# Altium PCB IIS_PCB.PcbDoc (part 1 of 3)
Units mil, origin at the board's own origin, x right, y up, seen from the top; angles counter-clockwise.
Board outline 5785 x 8565 mil, 6 copper layers (Top Layer, PWR Plane, Layer 1, Layer 2, GND Plane, Bottom Layer), stack 39 mil thick; 200 components, 151 nets, 747 pads, 194 vias.
Unrouted connection lines stored in the file: 14.
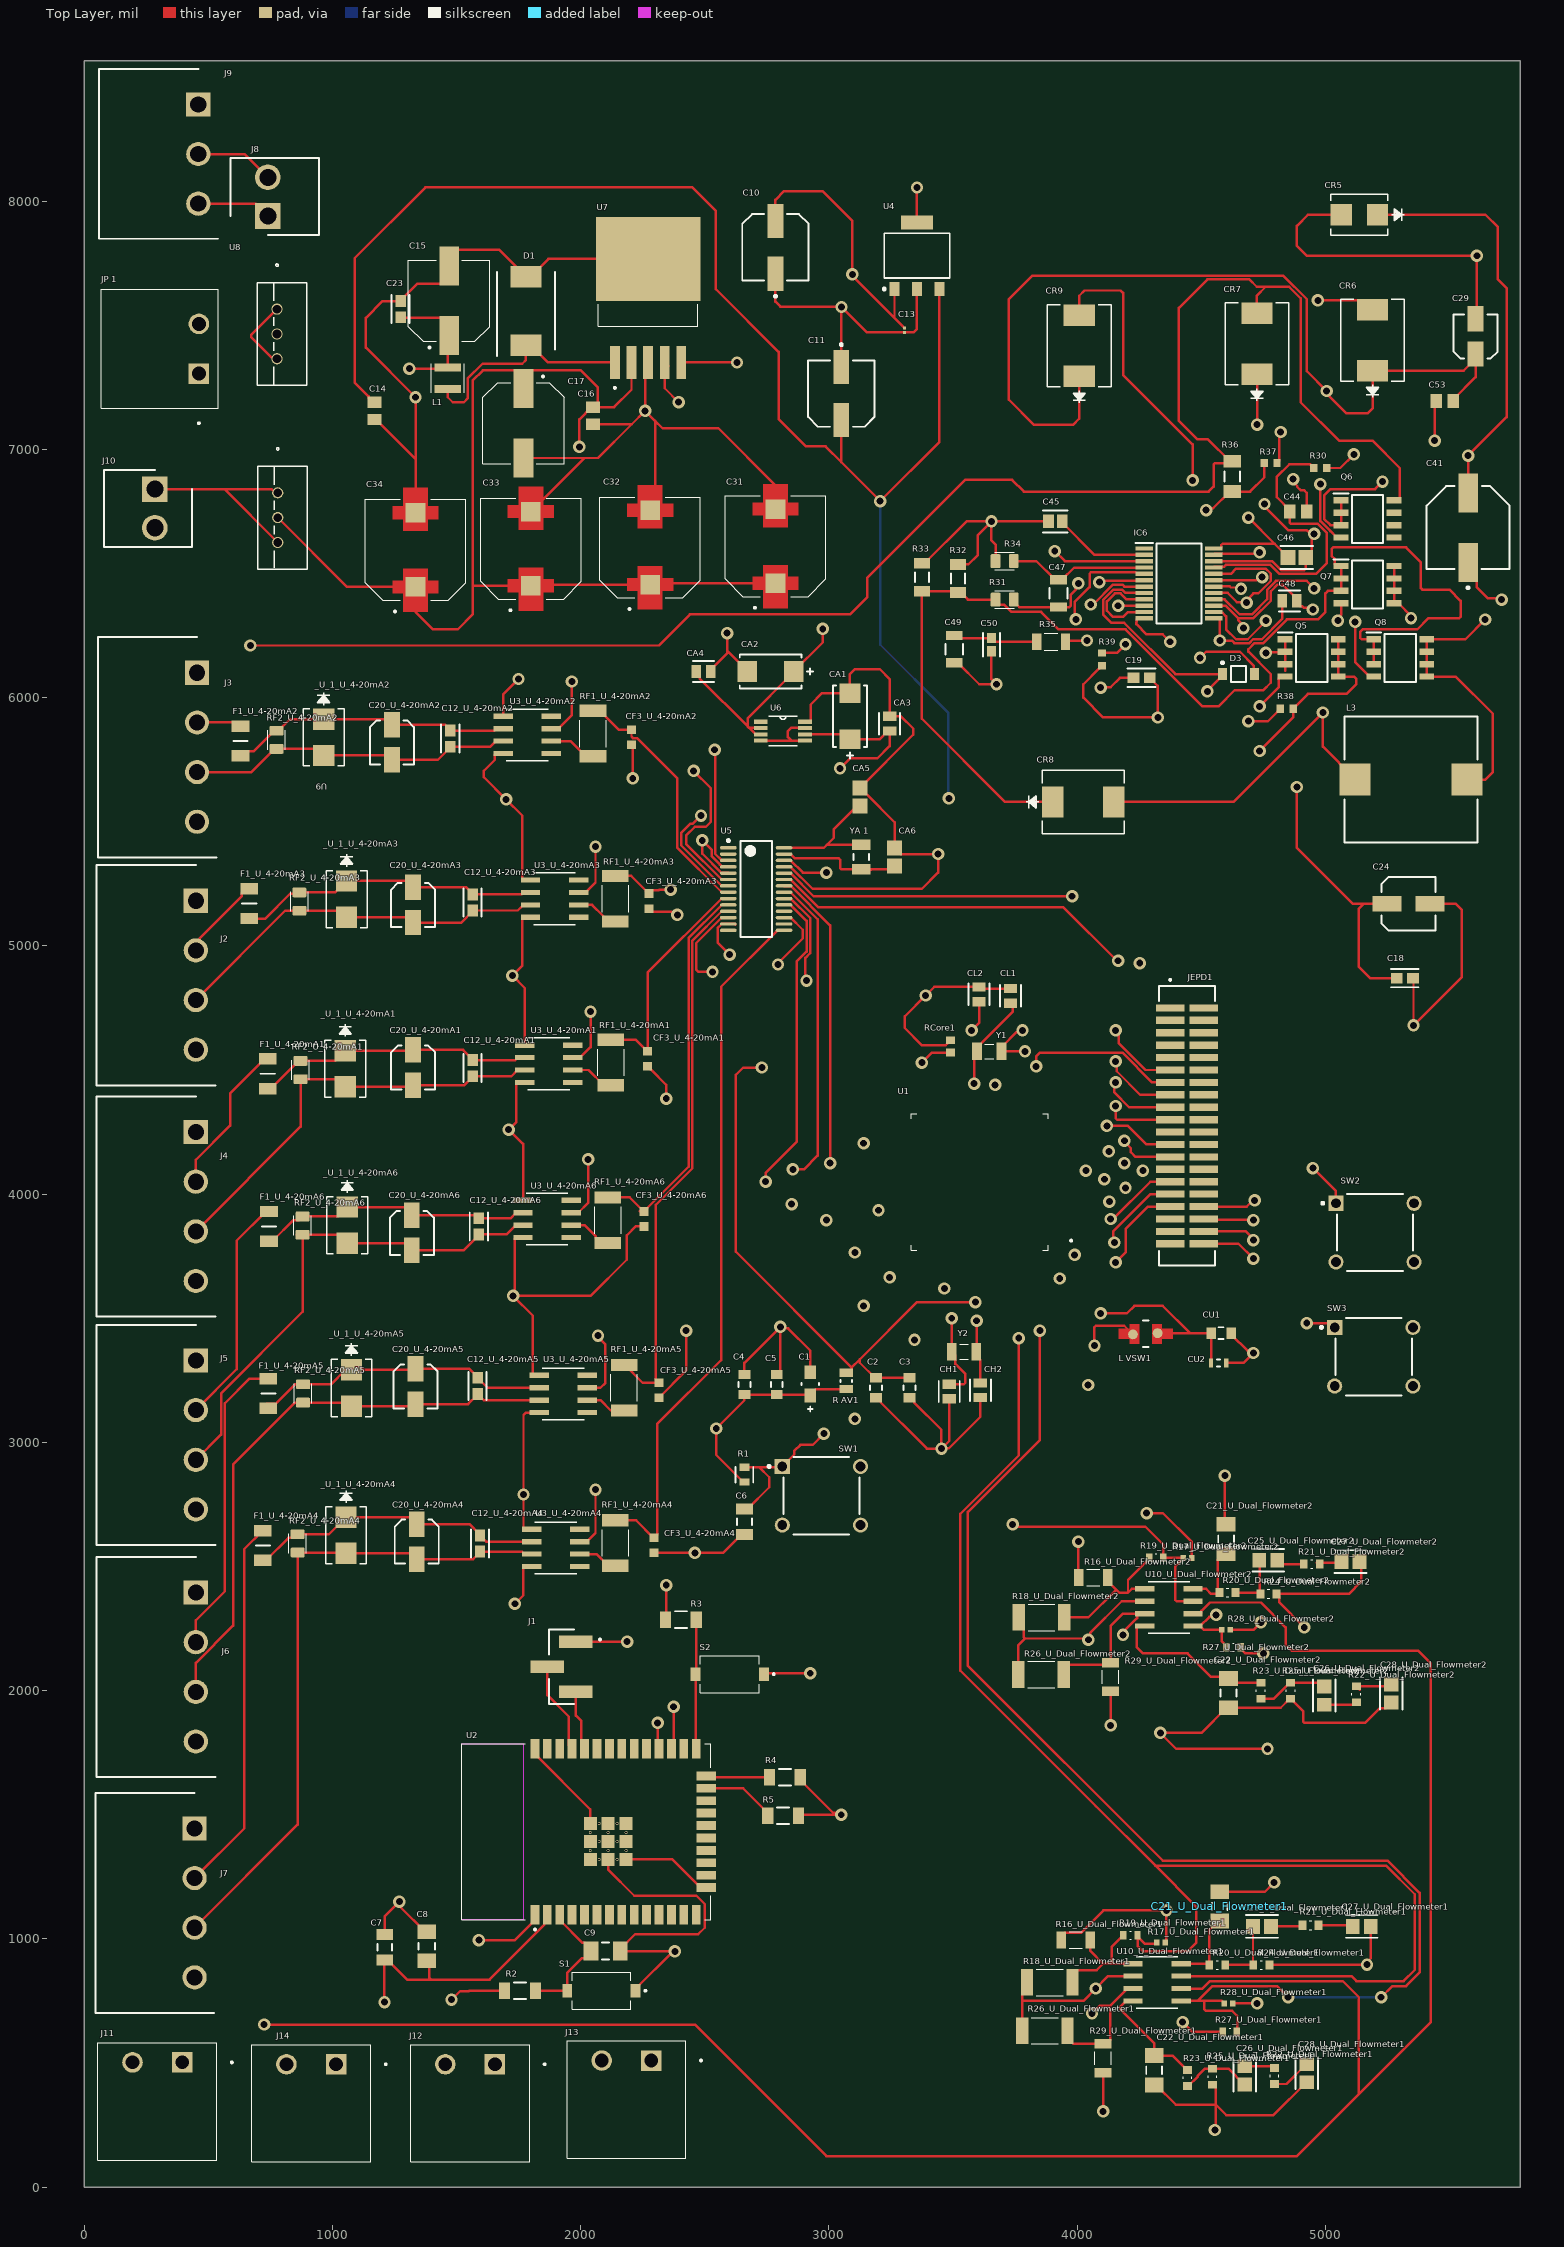
[diagram p0: Top Layer view]
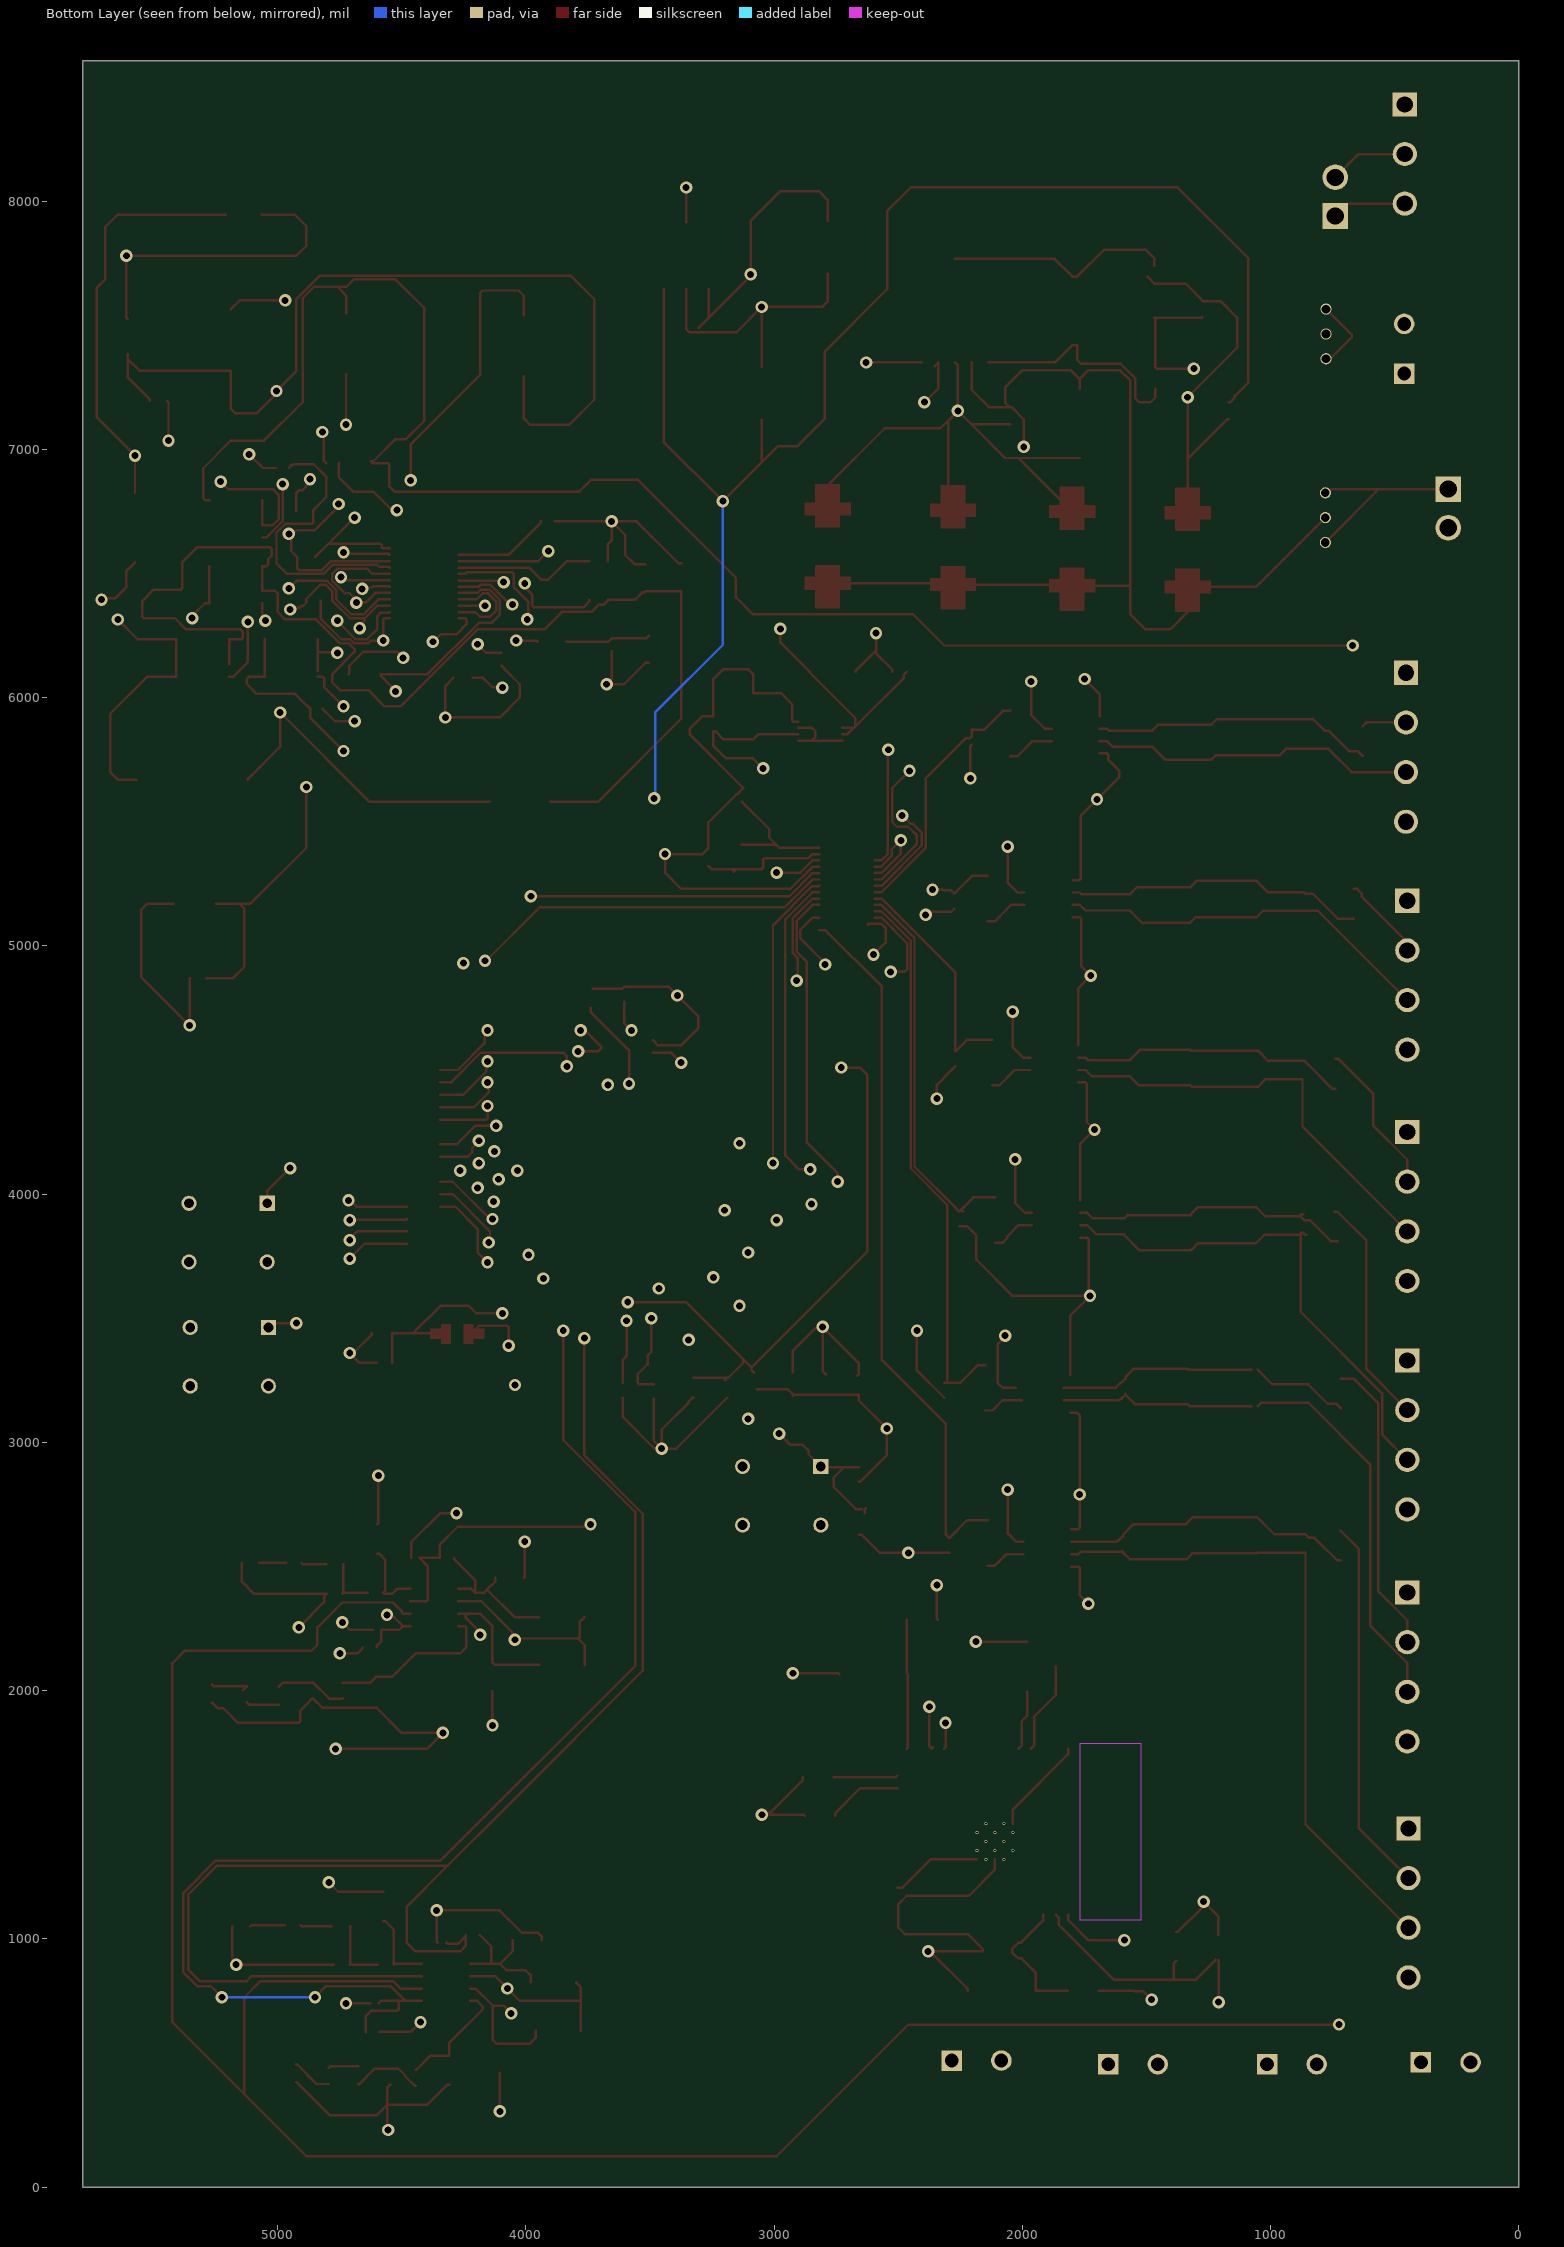
[diagram p1: Bottom Layer view, seen from below]
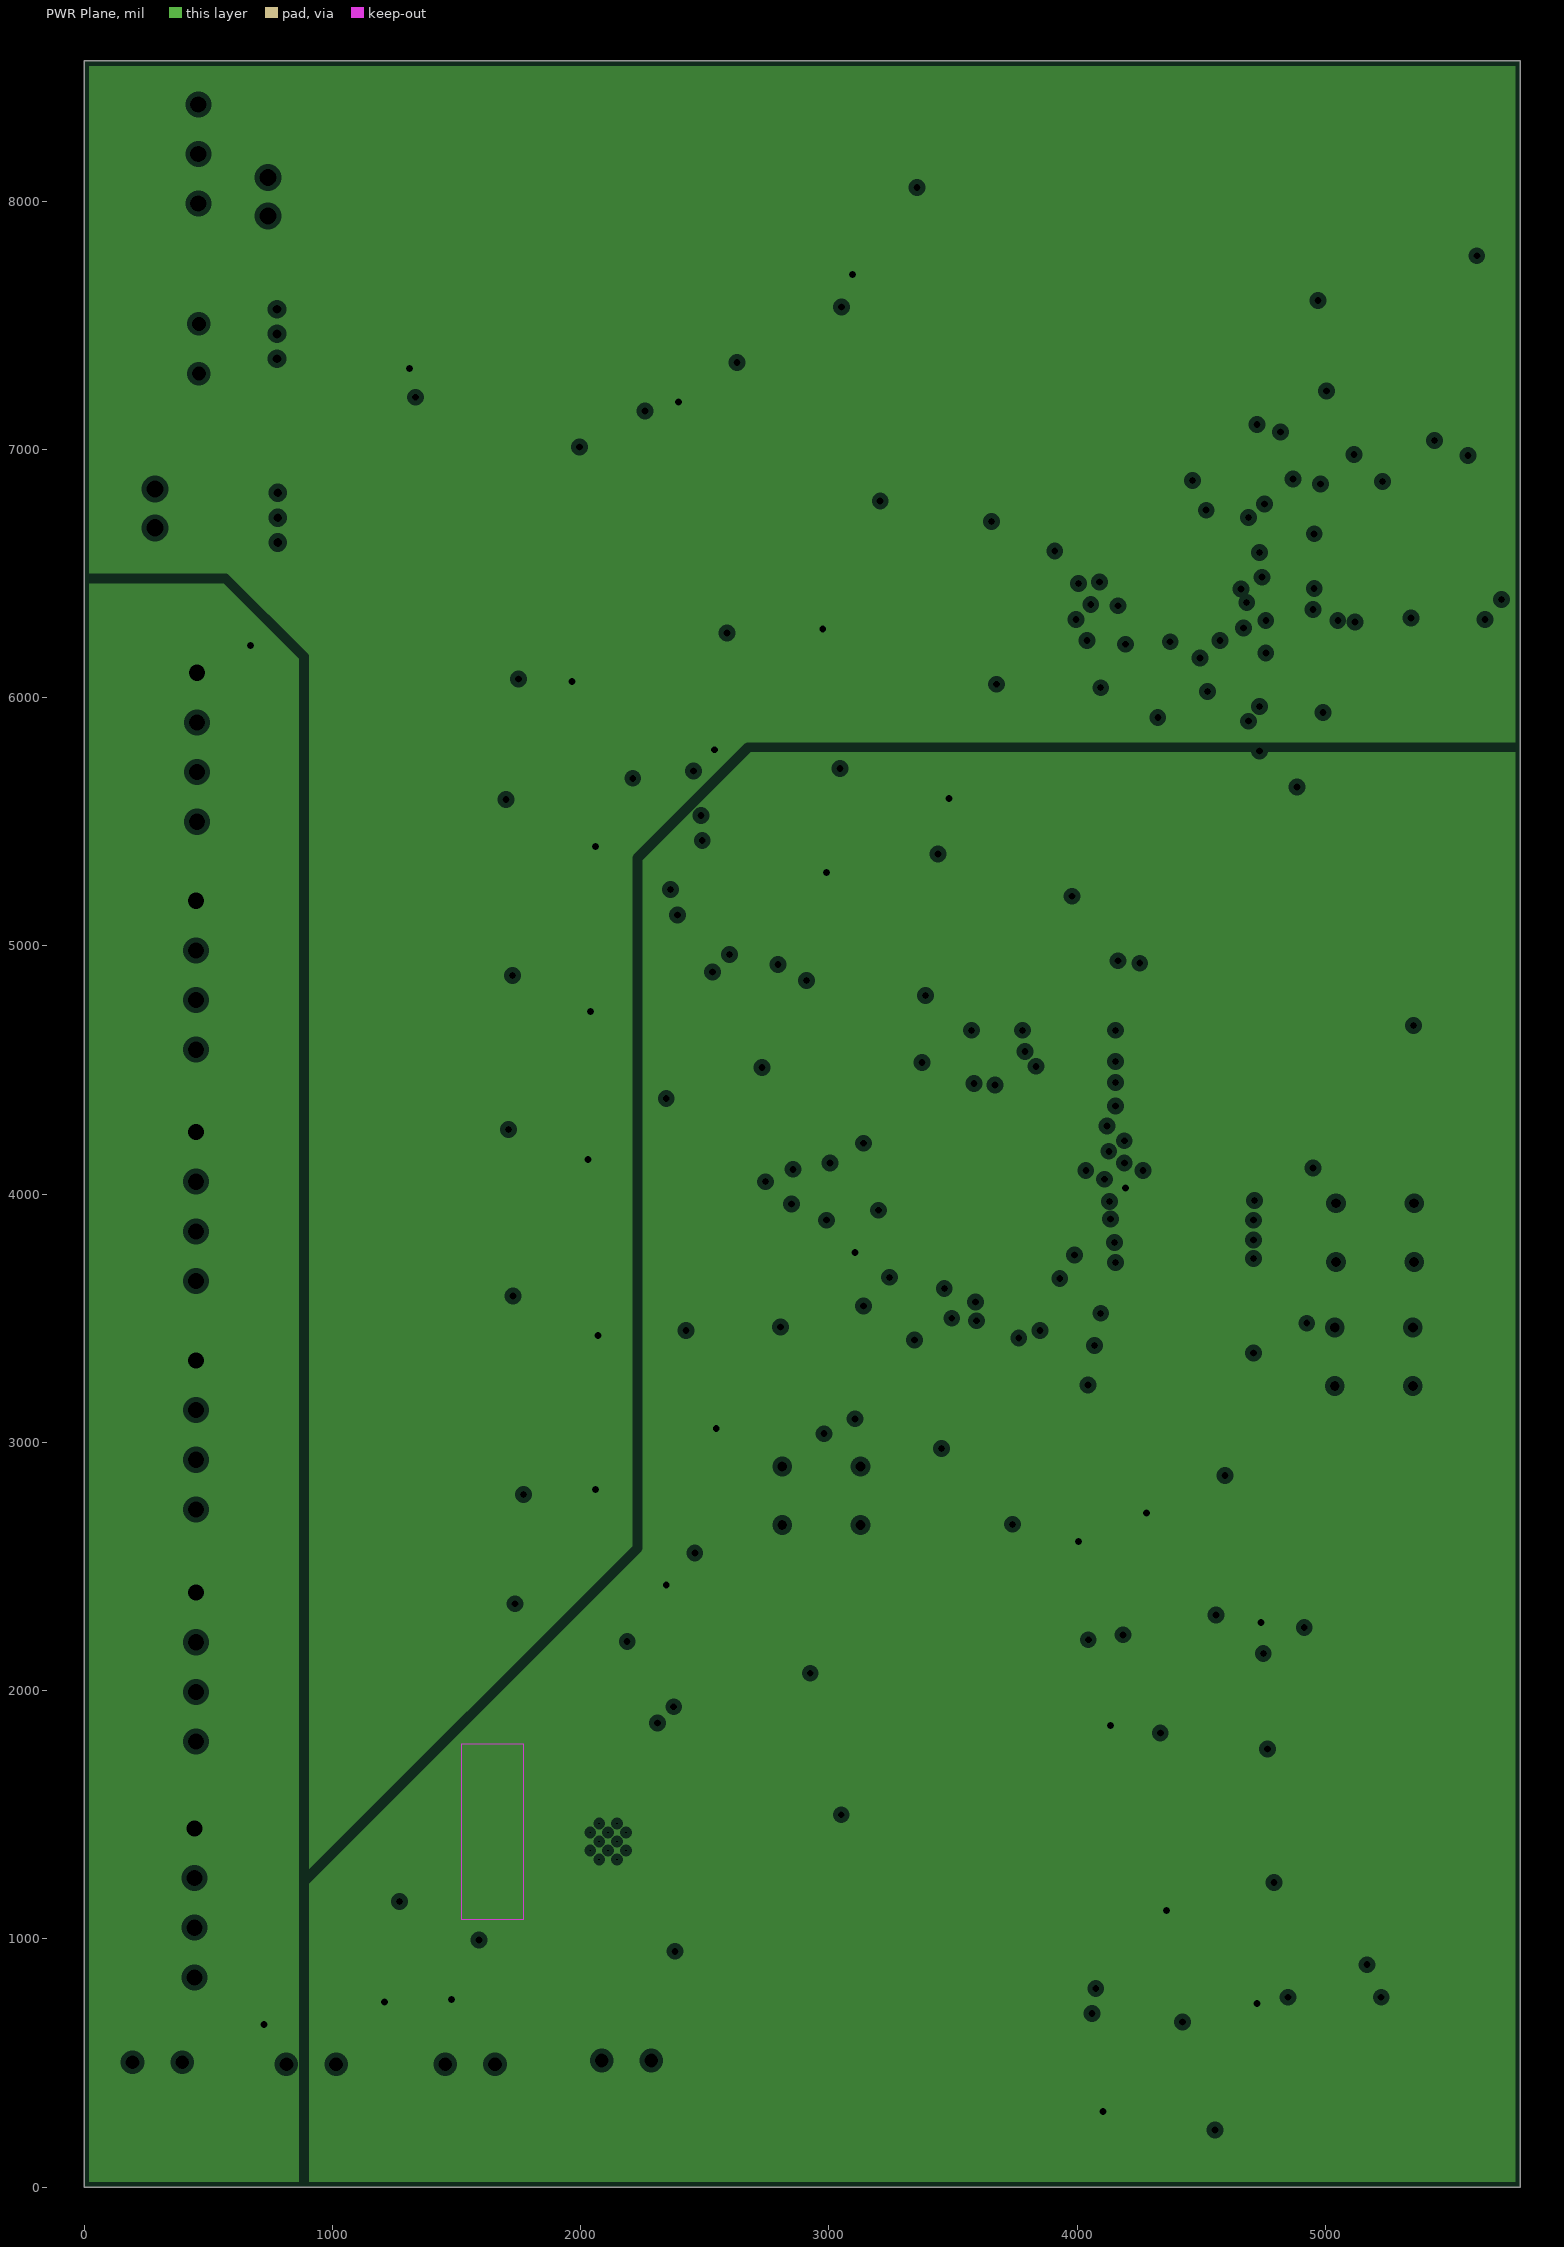
[diagram p2: PWR Plane, clearances drawn from the general rule]
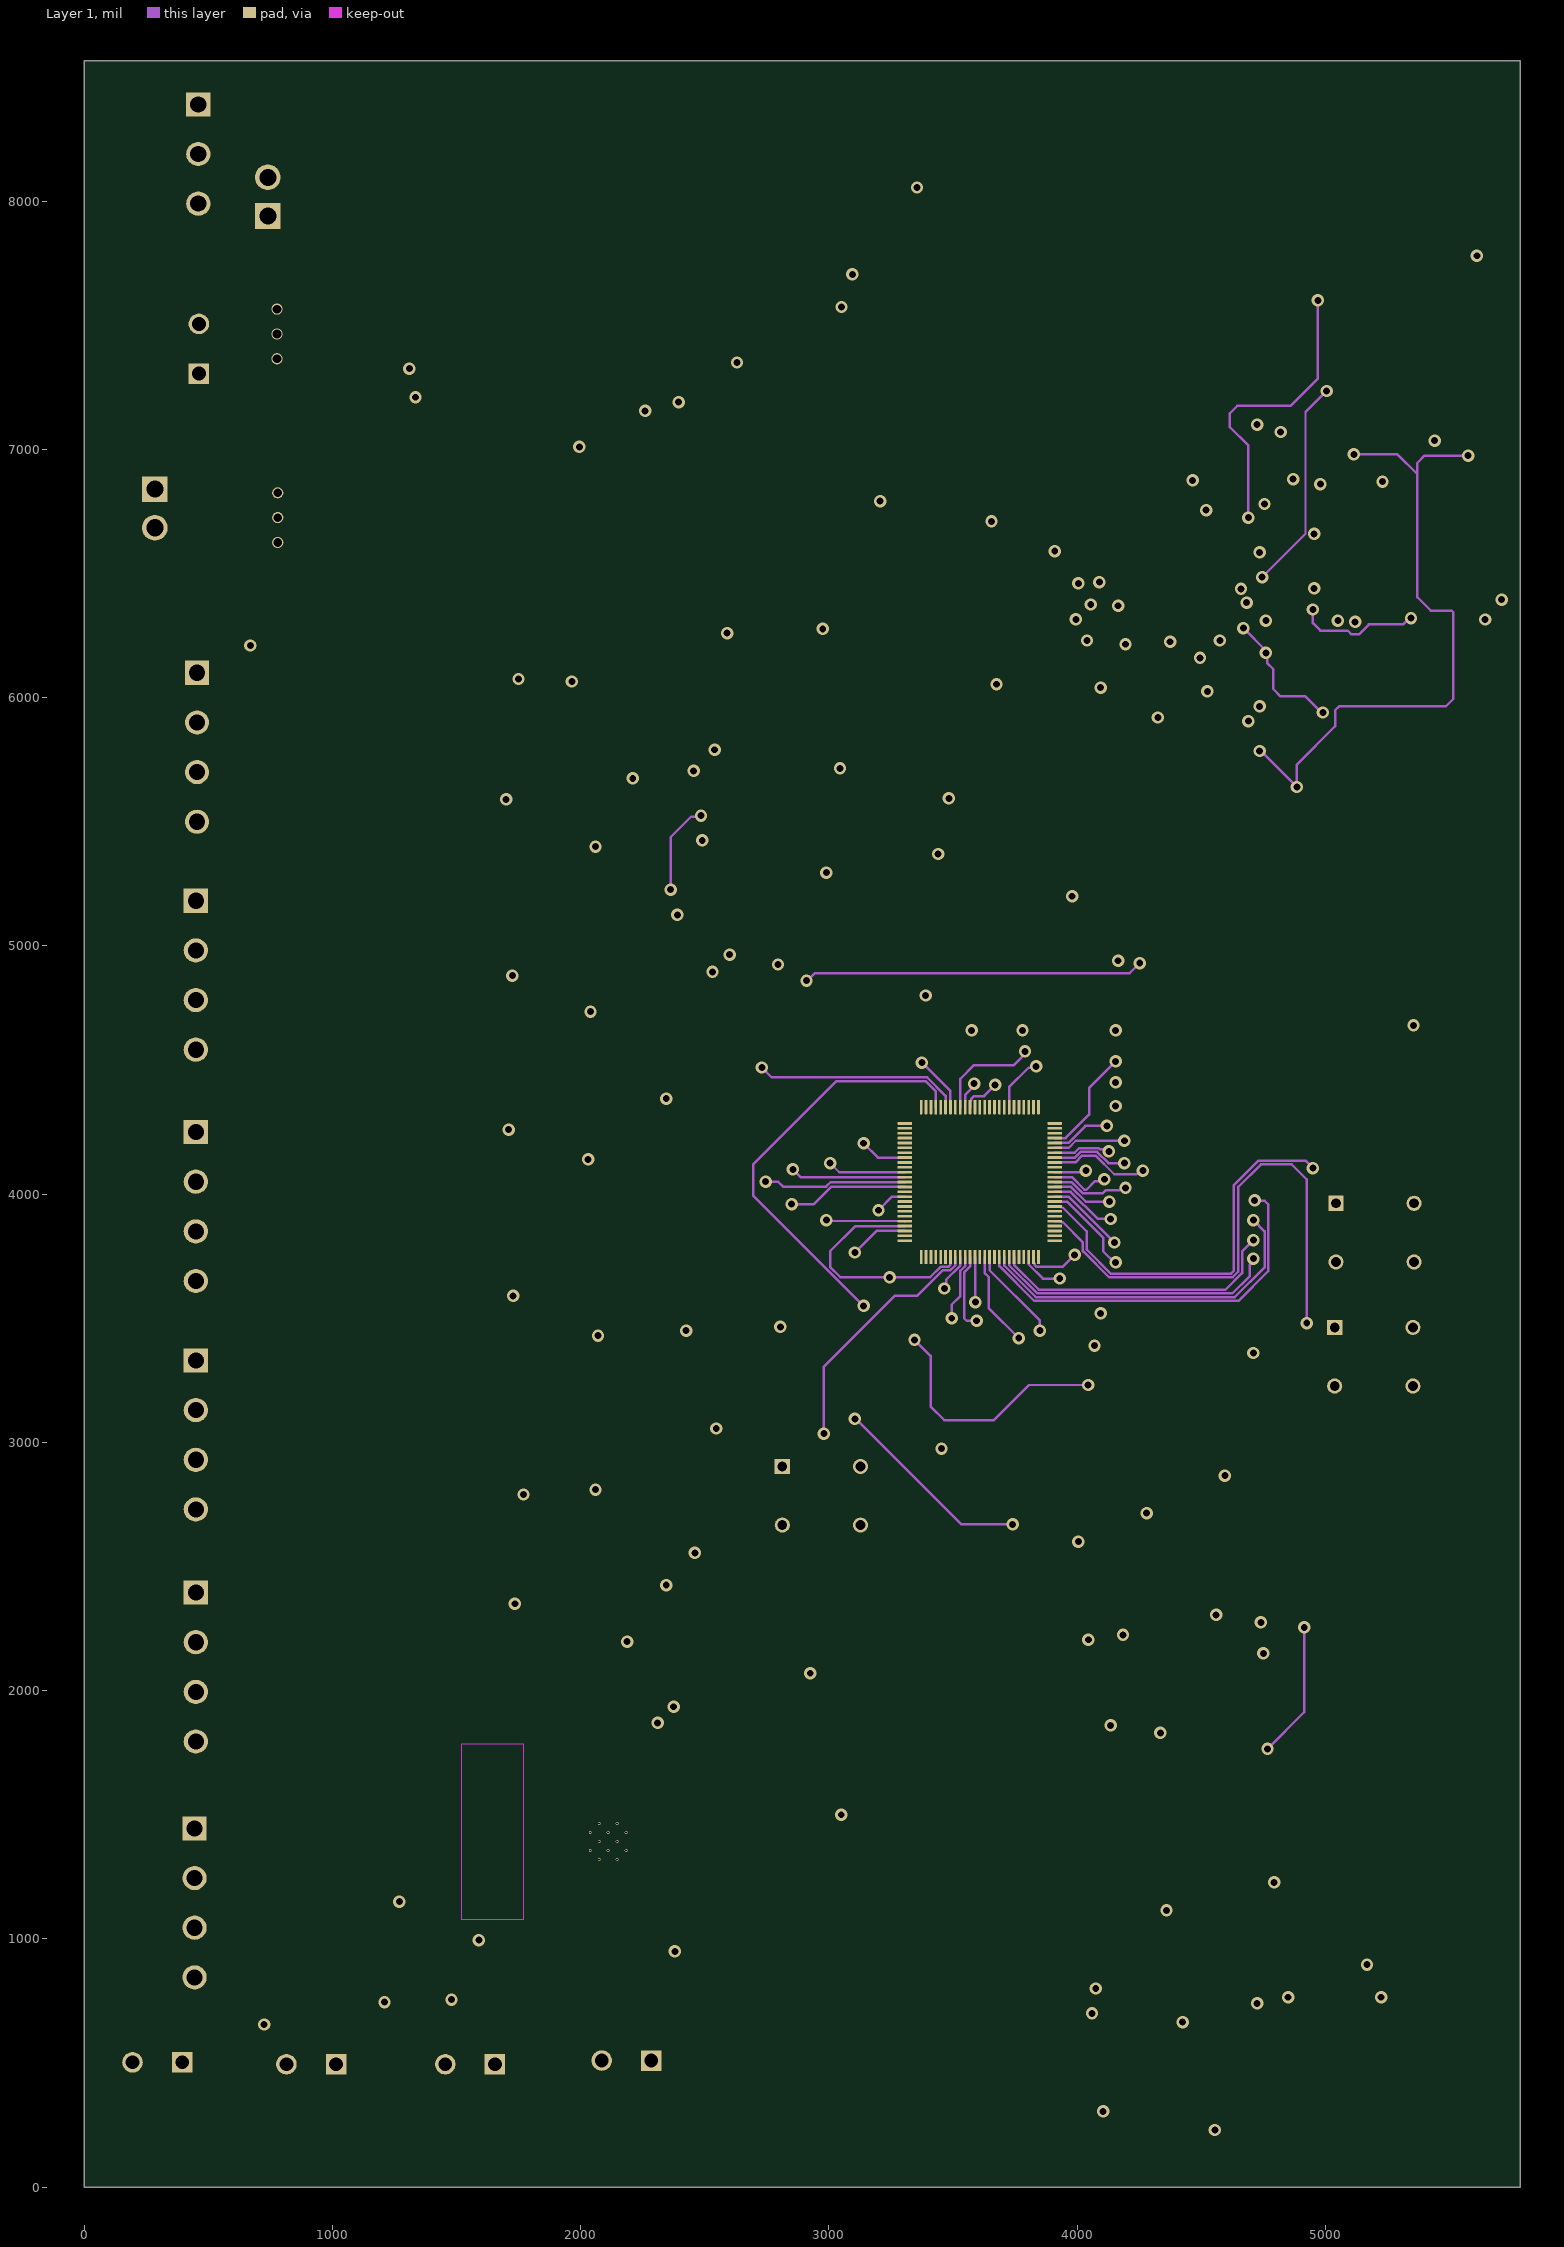
[diagram p3: Layer 1]